# Altium PCB pcb.PcbDoc (part 2 of 2)
Units mil, origin at the board's own origin, x right, y up, seen from the top; angles counter-clockwise.
Board outline 3149.61 x 3307.09 mil, 4 copper layers (Top Layer, Layer 1, Layer 2, Bottom Layer), stack 23.756 mil thick; 88 components, 79 nets, 394 pads, 127 vias.
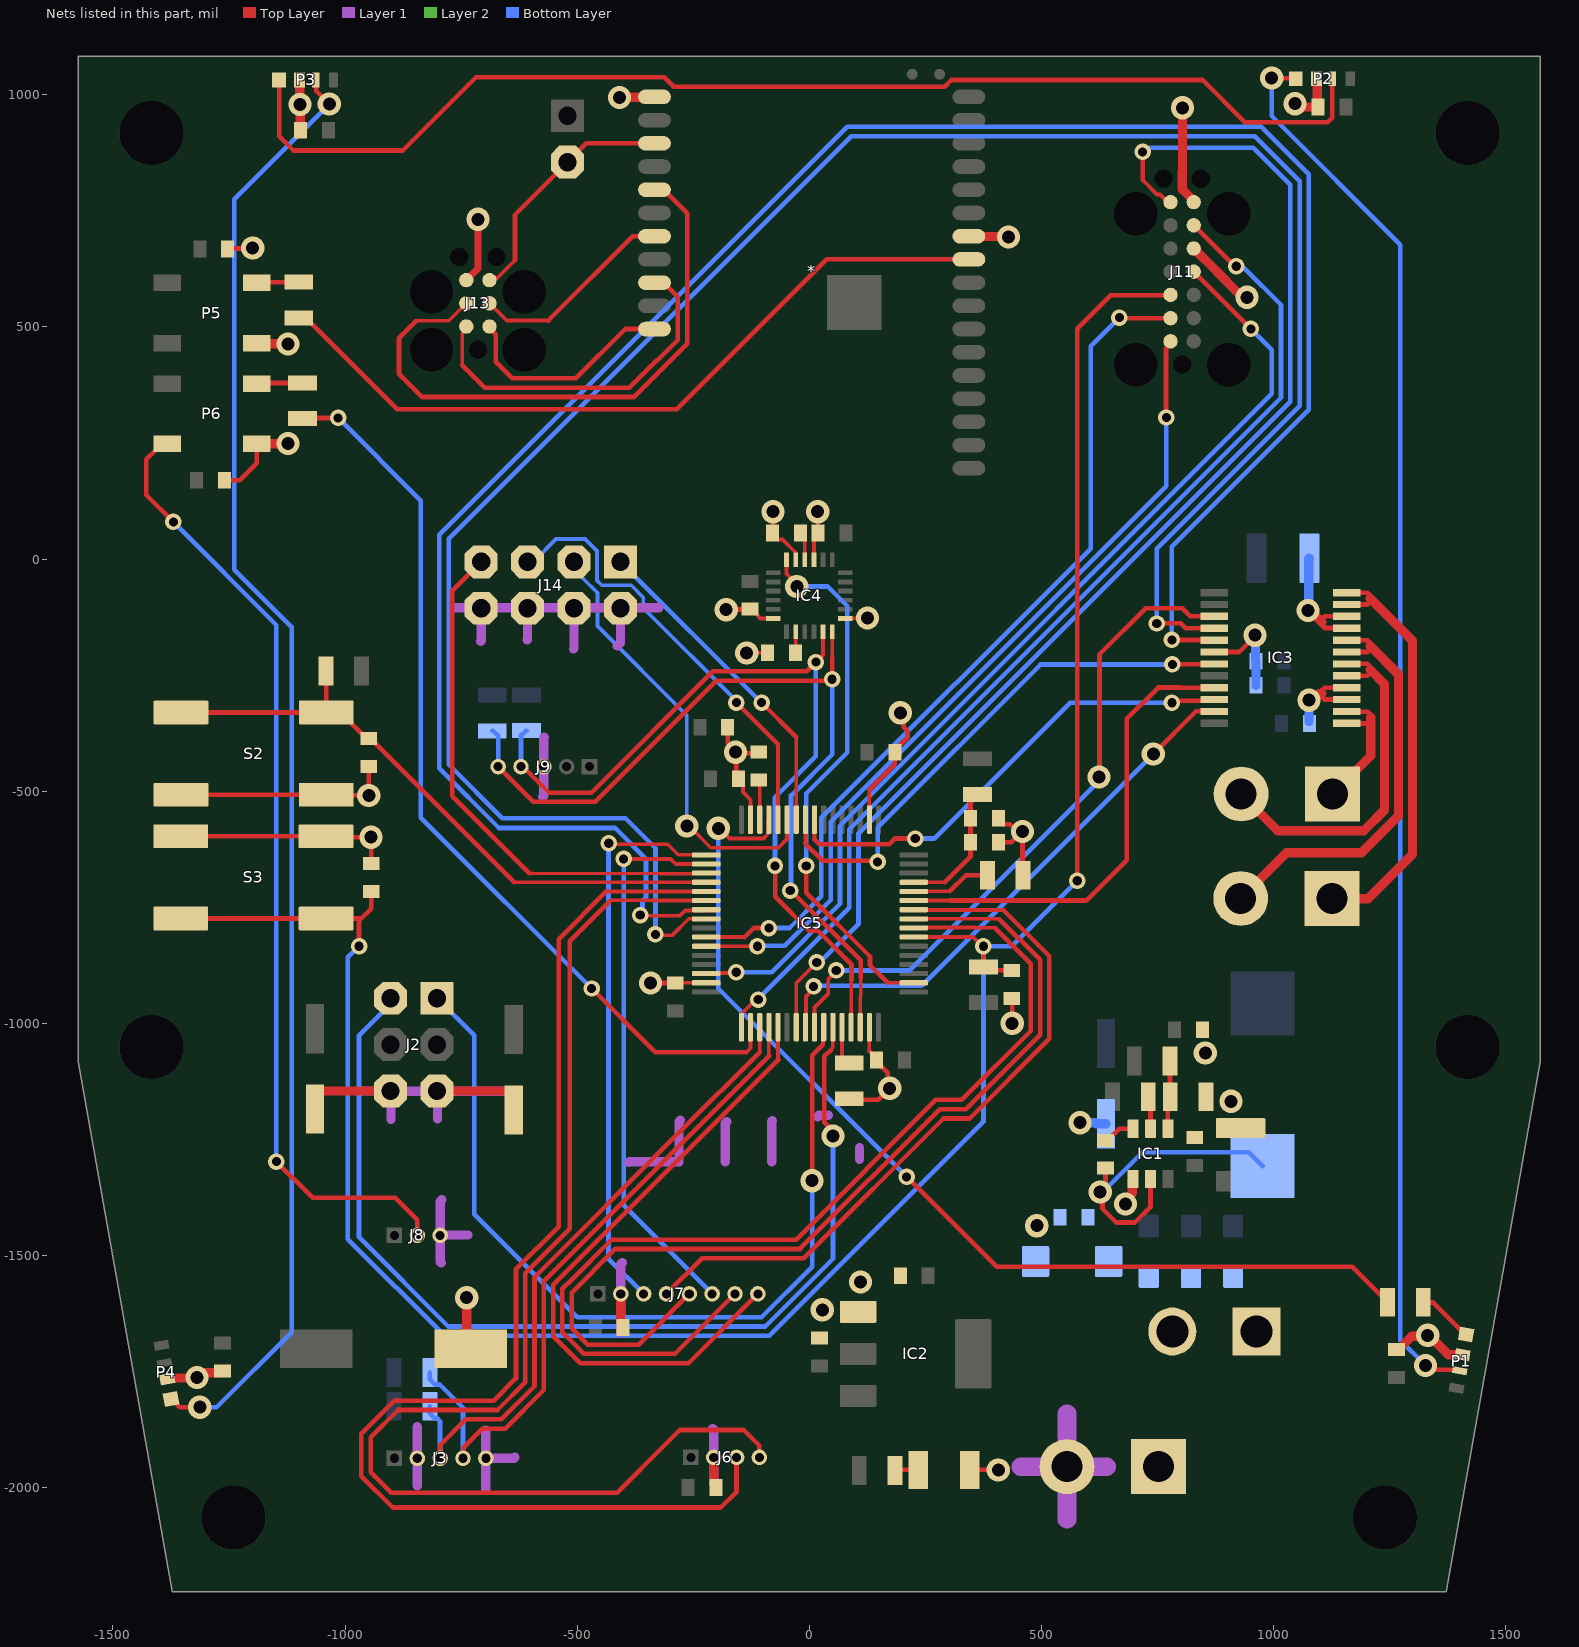
[diagram p4: the nets of this part, all layers, seen from the top]

## Via types
v1: diameter 50, hole 28, Top Layer to Bottom Layer, 87 vias
v2: diameter 35.43, hole 19.68, Top Layer to Bottom Layer, 40 vias

## Nets (pads, with @x,y where several pads share a name; then routed paths per layer and width w, separated by ;. In a path a pad name is that pad's centre, name@x,y a point inside that pad or via, vN(x,y) a via of type N, cw(c..) or ccw(c..) an arc to the next point about the centre after c; other vN are vias at no path point) (continued)
GND: *.11 *.18 C1.2 C2.2 C4.2 C5.2 C6.2 C7.2 C8.2 C9.2 C10.2 C11.1 C12.2 C13.2 C14.2 C15.2 C16.1 C17.2 C18.2 C19.2 C20.1 C21.2 C22.1 C23.2 C24.2 C25.2 C26.2 C27.2 C28.2 C29.2 C30.2 C31.2 C32.2 C33.2 C34.2 C35.2 C36.2 C37.1 C38.1 D2.A D5.K IC1.1 IC2.G IC3.3 IC3.4 IC3.9 IC3.10 IC3.18 IC4.1 IC4.9 IC4.11 IC4.18 IC5.18 IC5.31 IC5.47 IC5.63 J1.2 J2.5 J2.6 J3.2 J3.5 J6.2 J7.2 J8.3 J9.3 J11.5 J11.7 J13.6 J14.2 J14.4 J14.6 J14.8 L3.2 P1.3 P2.3 P3.3 P4.3 P5.3 P6.3 R4.1 R12.2 S2.1 S2.2 S3.1 S3.2 | length 8523.8
  Top Layer w8: C29.2@-289,-913 -288.72,-912.72 IC5.47@-222.24,-912.72 ; C26.2@-153,-473 -143,-483 -143,-502 -126.57,-518.43 IC5.31@-126.57,-561.14 ; v1(-135,-202) C22.1@-90,-202 ; C24.2@-128,-108 -124,-108 -114,-118 -114,-119.06 -105.11,-127.95 IC4.18@-77.56,-127.95 ; C20.1@-80.5,57.5 -78,60 v1(-78,102) ; C20.1@-79,56 -79,52 -69,42 -57.58,42 -31.43,15.85 -30.65,15.06 -30.65,10.37 -29.53,9.25 IC4.11@-29.53,-1.18 ; IC4.9@9.84,-1.18 9.84,46.84 C23.2@19,56 18,57 v1(18,102) ; IC4.1@77.56,-127.95 78.04,-127.48 124.52,-127.48 v1(125,-127) ; 129.33,-1059.33 IC5.63@129.33,-1008.39 ; IC5.18@129.33,-561.14 129.33,-496.67 ; C28.2@143,-1081 C28.2@145,-1079 C28.2@145,-1075
  Top Layer w10: S3.1@-1354,-597 S3.2@-1041.01,-597 -1039.01,-599 v1(-944,-599) C38.1@-944,-656 ; S2.2@-1353.5,-507.58 S2.1@-1040.5,-507.58 -1039.09,-509 v1(-949,-509) C37.1@-949,-447 ; C33.2@-1260,170 -1227.12,170 -1190.54,206.58 P6.3@-1190.54,248.04 ; C34.2@-1252,669 v1@-1200,669 ; v1(-342,-913) C29.2@-289,-913 ; v1(-179,-109) -178.5,-108.5 -128.5,-108.5 C24.2@-128,-108 ; C30.2@-176,-362 -176,-395.18 -159.32,-411.86 v1(-159.32,-415.92) ; C26.2@-153,-473 -157.5,-468.5 -157.5,-424.5 -162,-420 -160,-418 -111,-418 C36.2@-109,-416 ; R12.2@81.88,-1165 148,-1165 v1(173,-1140) 168.78,-1135.78 168.78,-1106.78 C28.2@143,-1081 ; 129.33,-1059.33 C28.2@145,-1075 ; 129.33,-496.67 184,-442 C27.2@184,-416 184,-412 211.35,-384.65 211.35,-369.84 203.59,-362.08 203.59,-338.73 v1(195.93,-331.08) ; D5.K@345.5,-1962 v1(407,-1962) ; C31.2@407,-610 435,-610 v1@458,-587 ; C32.2@407,-558 407,-562 416,-571 432.18,-571 448.18,-587 v1@458,-587 ; C35.2@436,-946 437,-947 v1(437,-1000) ; L3.2@460.5,-681 459,-679.5 v1(459,-587) v1@458,-587 ; IC3.18@872.28,-200.2 872.39,-200.1 926.14,-200.1 960,-166.24 v1(960,-164) ; IC3.3@1154.28,-302.39 1109.76,-302.39 1103.9,-296.53 1103.9,-289.59 1103.9,-282.65 1109.76,-276.8 IC3.4@1154.28,-276.8 ; IC3.9@1154.53,-148.59 1110,-148.59 1104.14,-142.73 1104.14,-135.8 1104.14,-128.86 1110,-123 IC3.10@1154.53,-123
  Top Layer w15: J13.6@-739,601 -714,626 v1(-714,732)
  Top Layer w20: P4.3@-1383,-1766 -1381.15,-1764.15 -1320.15,-1764.15 v1(-1319,-1763) -1310.88,-1763 -1300.88,-1753 -1268,-1753 C21.2@-1264,-1749 ; C34.2@-1253,668 C34.2@-1252,669 ; v1@-1200,669 v1(-1199,670) ; P6.3@-1190.54,248.04 -1190.06,248.52 -1123.48,248.52 v1(-1123,249) ; P5.3@-1190.54,465.04 -1189.52,464.02 -1124.02,464.02 v1(-1123,463) ; P3.3@-1097.94,1032 -1097.47,1031.53 -1097.47,979.47 v1(-1097,979) -1096.5,978.5 -1096.5,924.5 C19.2@-1096,924 ; C2.2@-1065.5,-1185.11 C2.2@-1065,-1184.61 -1065,-1155.69 -1055.31,-1146 J2.6@-902,-1146 ; J2.5@-802,-1146 -646.69,-1146 -637,-1155.69 C4.2@-637,-1186.61 C4.2@-634.5,-1189.11 ; v1(-738,-1591) -738,-1692.66 C25.2@-729.66,-1701 ; v1(-409,994) -408.22,994.78 -334.36,994.78 *.18@-333.58,995.55 ; J7.2@-406.21,-1582.69 -406.21,-1639.79 -400,-1646 C16.1@-400,-1650 ; J6.2@-206,-1935 -206,-1987 -199,-1994 C11.1@-199,-1998 ; *.11@343.58,695.55 344.36,694.78 428.22,694.78 v1(429,694) ; v1(680.81,-1389) 680.81,-1380.88 695.79,-1365.9 695.79,-1336.94 IC1.1@697.6,-1335.13 ; v1(804,972) 804,836.12 803.31,835.44 803.31,796.69 828,772 J11.7@828,769 ; J11.5@828,669 828.28,669 878.51,618.76 878.51,618.49 925.26,571.74 927.14,571.74 934.88,564 v1(943,564) ; v1(1046,981) 1054.12,981 1061.12,974 C18.2@1096,974 1093.81,976.19 1093.81,1033.19 P2.3@1092,1035 ; v1(1074,-111) 1079.35,-111 1104.14,-135.8 ; v1(1076,-304) 1084.12,-304 1098.53,-289.59 1103.9,-289.59 ; C17.2@1265,-1703 1269,-1699 1273,-1699 1297.92,-1674.08 1329.92,-1674.08 v1(1332,-1672) ; v1@1332,-1678 1340.56,-1678 1376.56,-1714 P1.3@1407,-1714
  Layer 1 w20: -967,-1146 J2.6@-906.15,-1146 ; -901,-1207 -901,-1146.15 J2.5@-801,-1146.15 ; -844.64,-1996 J3.2@-844.64,-1937.15 ; J3.2@-844.49,-1937 -844.49,-1869.15 ; -801,-1206 J2.5@-801,-1146.15 ; J2.5@-801,-1145.15 J2.5@-801,-1146.15 ; J8.3@-797,-1456 J8.3@-795.28,-1456 ; -793,-1516 -795.28,-1513.72 J8.3@-795.28,-1456.69 J8.3@-795.28,-1456 ; -792,-1380 -795.28,-1383.28 J8.3@-795.28,-1456 ; -765,-105 -324,-105 ; -736,-1456 J8.3@-795.28,-1456 ; -708,-177 -707,-176 J14.8@-707,-106 ; -697,-2003 J3.5@-697,-1942.15 ; -696.85,-1876.15 J3.5@-696.85,-1937 -636,-1937 -634,-1935 ; -658,-1146.15 J2.5@-801,-1146.15 ; -608,-174 -607,-173 J14.6@-607,-106 ; -574,-512 -572,-510 J9.3@-572,-447 -572,-385 -571,-384 ; -508,-193 -507,-192 J14.4@-507,-106 ; -414,-187 -407,-180 J14.2@-407,-106 ; -406,-1666 -406.21,-1665.79 J7.2@-406.21,-1582.69 -406.21,-1519.21 -403,-1516 ; -389,-1299 -388,-1298 -281,-1298 -281,-1212 -278,-1209 ; -208,-1873 -206,-1875 J6.2@-206,-1935 -206,-1990 -204,-1992 ; -181,-1298 -181,-1215 -178,-1212 ; -81,-1298 -81,-1211 -80,-1210 ; 18,-1201 21,-1198 41,-1198 ; 108,-1293 108,-1268
  Layer 1 w40: 455,-1955 J1.2@555,-1955 ; 555,-2068 J1.2@555,-1955 ; 555,-1841 J1.2@555,-1955 ; 641,-1955 J1.2@555,-1955
  Bottom Layer w20: v1(583,-1214) 615.39,-1214 618,-1216.61 C5.2@639,-1216.61 ; v1(960,-164) 961,-165 961,-219 C14.2@962,-220 C15.2@962,-272 ; v1@1074,-302 v1(1076,-304) 1076.5,-304.5 C12.2@1076.5,-349.5 ; v1(1074,-111) 1075.54,-109.46 1075.54,0.46 C13.2@1077.09,2
  other v1: 28,-1617 110,-1557 490,-1436 908,-1168 853,-1064
ISP_3V3: *.28 J13.1 | length 482.3
  Top Layer w10: J13.1@-689,501 -689,497.84 -675.75,484.59 -675.75,425.42 -639.58,389.25 -502.75,389.25 -396.45,495.55 *.28@-333.58,495.55
ISP_BOOT: *.20 J12.2 J13.5 | length 535.1
  Top Layer w8: J13.5@-689,601 -684.58,605.42 -672.08,605.42 -634,643.5 ; *.20@-333.73,895.4 *.20@-333.58,895.55
  Top Layer w10: -634,643.5 -634,742 J12.2@-521,855 -480.6,895.4 *.20@-333.73,895.4
ISP_RST: *.22 J13.4 | length 1314.4
  Top Layer w8: -846.63,513.37 -776.63,513.37 J13.4@-739,551
  Top Layer w10: -846.63,513.37 -884,476 -884,399.58 -833.42,349 -377.85,349 -263.15,463.7 -263.15,744.8 -313.9,795.55 *.22@-333.58,795.55
ISP_RXD: *.26 J13.2 | length 770
  Top Layer w8: -747.59,417.59 -747.59,486.16 J13.2@-739,494.75
  Top Layer w10: -747.59,417.59 -699.25,369.25 -387.75,369.25 -329,428 -327.14,428 -283.15,471.99 -283.15,564.8 -313.9,595.55 *.26@-333.58,595.55 ; J13.2@-739,494.75 J13.2@-739,501
ISP_TXD: *.24 J13.3 | length 445.9
  Top Layer w8: J13.3@-689,551 -652,514 -562,514
  Top Layer w10: -562,514 -380.45,695.55 *.24@-333.58,695.55
LED_PIXEL_STATE_VFS: IC5.50 R11.2 | length 1981
  Top Layer w8: R11.2@-1092,302.5 R11.2@-1090.5,304 ; -135.34,-1062.38 -126.57,-1053.62 IC5.50@-126.57,-1008.39
  Top Layer w10: R11.2@-1090.5,304 v2(-1015,304) ; v2(-469,-925) -331.62,-1062.38 -135.34,-1062.38
  Bottom Layer w10: v2(-1015,304) -837,126 -837,-557 v2(-469,-925)
Net*_10: *.10 R10.2 | length 1658.9
  Top Layer w10: R10.2@-1100,519.5 -1085,519.5 -888.13,322.63 -285.37,322.63 37.55,645.55 *.10@343.58,645.55
NetC1_1: C1.1 D1.A D2.K D3.A D4.A S1.2
NetC3_1: C3.1 IC1.2 L1.1 | length 679.6
  Top Layer w10: v1(626.59,-1363.31) 631.43,-1368.16 631.43,-1399 661.43,-1429 701.02,-1429 735,-1395.02 IC1.2@735,-1335.13 ; v1@631.35,-1364.35 638,-1357.7 C3.1@638,-1312
  Bottom Layer w10: v1(626.59,-1363.31) 632.39,-1363.31 717.7,-1278 946.8,-1278 L1.1@976,-1307.2
NetC3_2: C3.2 IC1.6 | length 70
  Top Layer w10: C3.2@638,-1252 642,-1252 667.13,-1226.87 IC1.6@697.6,-1226.87
NetC20_2: C20.2 IC4.10 | length 61
  Top Layer w8: C20.2@-19,56 -9.84,46.84 IC4.10@-9.84,-1.18
NetC22_2: C22.2 IC4.20 | length 45.9
  Top Layer w8: C22.2@-30,-202 -29.53,-201.53 IC4.20@-29.53,-156.3
NetC31_1: C31.1 C32.1 IC5.13 L2.1 | length 287
  Top Layer w8: IC5.13@225,-696.18 291.82,-696.18
  Top Layer w10: 291.82,-696.18 347,-641 C31.1@347,-610 C32.1@347,-558 347,-518 357.04,-507.96 L2.1@362,-507.96
NetC36_1: C36.1 IC5.30 | length 86
  Top Layer w8: C36.1@-109,-476 -106.89,-478.11 IC5.30@-106.89,-561.14
NetD5_A: D5.A R3.1 | length 50.4
  Top Layer w10: R3.1@184.5,-1963 185.5,-1962 D5.A@234.5,-1962
NetIC1_4: IC1.4 R2.2 R4.2 | length 148.2
  Top Layer w10: IC1.4@772.4,-1226.87 772.4,-1163.1 R4.2@777.5,-1158 777,-1157.5 R2.2@777,-1081
NetIC1_5: IC1.5 R1.1 | length 70.9
  Top Layer w10: R1.1@730,-1158 735,-1163 IC1.5@735,-1226.87
NetIC3_1: IC3.1 IC3.2 J4.1 | length 311.2
  Top Layer w10: IC3.1@1158.72,-354.2 1203.24,-354.2 1209.1,-348.35 ; IC3.2@1158.72,-328.61 1203.24,-328.61 1209.1,-334.47 1209.1,-341.41
  Top Layer w20: J4.1@1127,-506 1209.1,-423.9 1209.1,-348.35 1209.1,-341.41
NetIC3_5: IC3.5 IC3.6 J4.2 | length 794.3
  Top Layer w10: IC3.5@1157.72,-251.39 1202.24,-251.39 1208.1,-245.53 1208.1,-238.59 1208.1,-231.65 1202.24,-225.8 IC3.6@1157.72,-225.8
  Top Layer w20: J4.2@930.15,-506 1009.2,-585.06 1194.34,-585.06 1239.1,-540.29 1239.1,-269.59 1208.1,-238.59
NetIC3_7: IC3.7 IC3.8 J5.2 | length 923.9
  Top Layer w10: IC3.7@1157.72,-200.2 1202.24,-200.2 1208.1,-194.35 1208.1,-187.41 1208.1,-180.47 1202.24,-174.61 IC3.8@1157.72,-174.61
  Top Layer w20: J5.2@929.15,-731 1027.68,-632.47 1189.35,-632.47 1269.1,-552.72 1269.1,-248.41 1208.1,-187.41
NetIC3_11: IC3.11 IC3.12 J5.1 | length 921.1
  Top Layer w10: IC3.11@1157.72,-97.84 1202.24,-97.84 1208.1,-91.98 1208.1,-85.05 1208.1,-78.11 1202.24,-72.25 IC3.12@1157.72,-72.25
  Top Layer w20: J5.1@1126,-731 1126.66,-731.66 1203.34,-731.66 1299.1,-635.9 1299.1,-176.05 1208.1,-85.05
NetIC3_15: IC3.15 IC5.57 | length 1445.8
  Top Layer w8: IC5.57@11.22,-1008.39 11.22,-965.63 41,-935.85 41,-904.52 58,-887.52 v2(58,-886.12)
  Top Layer w10: v1(623.72,-469.72) 625,-468.43 625,-205.31 724.31,-106 803,-106 820.43,-123.43 IC3.15@872.28,-123.43
  Bottom Layer w10: v2(58,-886.12) 216.44,-886.12 623.72,-478.85 v1(623.72,-469.72)
NetIC3_16: IC3.16 IC5.40 | length 4758.5
  Top Layer w8: v2(-331.47,-808.53) -330,-810 -295,-810 -259.92,-774.92 IC5.40@-222.24,-774.92
  Top Layer w10: v2(748.28,-138.72) 749,-138 799.66,-138 810.68,-149.02 IC3.16@872.28,-149.02
  Bottom Layer w10: v2(-331.47,-808.53) -331.47,-622.53 -396,-558 -661.53,-558 -777,-442.53 -777,44 90,911 959.28,911 1056,814.28 1056,330.28 748.28,22.57 v2(748.28,-138.72)
NetIC3_17: IC3.17 IC5.39 | length 4798.5
  Top Layer w8: v2(-364.19,-766.87) -363.05,-768 -278.46,-768 -267.38,-756.92 -252.88,-756.92 -252.7,-756.75 -223.76,-756.75 IC5.39@-222.24,-755.24 ; v2(781,-174) v2@781.31,-174.31 ; IC3.17@871.98,-174.31 IC3.17@872.28,-174.61
  Top Layer w10: v2@781.31,-174.31 IC3.17@871.98,-174.31
  Bottom Layer w10: v2(-364.19,-766.87) -359.32,-762 -359.32,-736.47 -352,-729.15 -352,-645.73 -418.45,-579.28 -445.55,-579.28 -668.53,-579.28 -797,-450.82 -797,52.28 81.72,931 973.73,931 1076,828.73 1076,322 781,27 v2(781,-174)
NetIC3_19: IC3.19 IC5.25 | length 1168.9
  Top Layer w8: -8.46,-611.56 IC5.25@-8.46,-561.14
  Top Layer w10: -8.46,-611.56 -8.46,-612.98 28.56,-650 145,-650 v2(147.13,-652.13) ; v2(782,-227) 782.6,-226.4 871.68,-226.4 IC3.19@872.28,-225.8
  Bottom Layer w10: v2(147.13,-652.13) 147.13,-577.87 498,-227 v2(782,-227)
NetIC3_21: IC3.21 IC5.11 | length 1015.8
  Top Layer w8: IC5.11@225,-735.55 303.55,-735.55
  Top Layer w10: 303.55,-735.55 596.72,-735.55 683.53,-648.74 683.53,-344.33 751.15,-276.72 799.32,-276.72 799.58,-276.98 IC3.21@872.28,-276.98
NetIC3_22: IC3.22 IC5.24 | length 1036.6
  Top Layer w8: 11.22,-604.38 IC5.24@11.22,-562.11
  Top Layer w10: 11.22,-604.38 21.12,-614.28 171.84,-614.28 184.12,-602 v2(228,-602) ; v2(781,-309.43) 784.99,-305.44 869.41,-305.44 IC3.22@872.28,-302.57
  Bottom Layer w10: v2(228,-602) 269,-602 561.57,-309.43 v2(781,-309.43)
NetIC3_23: IC3.23 IC5.56 | length 1203.6
  Top Layer w8: IC5.56@-8.46,-1008.39 -7.23,-1007.15 -7.23,-941.94 9.28,-925.42 v2(9.28,-920.42)
  Top Layer w10: v1(741,-420) 832.84,-328.16 IC3.23@872.28,-328.16
  Bottom Layer w10: v2(9.28,-920.42) 10.86,-918.84 242.16,-918.84 v1(741,-420)
NetIC4_12: IC4.12 IC5.2 | length 1170.3
  Top Layer w8: IC4.12@-49.21,-1.18 -49.21,-31.73 -27,-53.94 v1(-27,-59) ; 168.72,-912.72 IC5.2@225,-912.72
  Top Layer w10: v2(-6.72,-661) -6.57,-661.15 -6.57,-718.72 130.72,-856 130.72,-874.72 168.72,-912.72
  Bottom Layer w10: v1(-27,-59) 39.57,-59 81.69,-101.12 81.69,-416.57 -6.72,-504.97 v2(-6.72,-661)
NetIC4_23: IC4.23 IC5.61 J9.4 R5.1 | length 1832.6
  Top Layer w8: 28.97,-207.44 29.53,-206.89 IC4.23@29.53,-156.3 ; IC5.61@89.96,-1008.39 89.96,-907.45 90.72,-906.7
  Top Layer w10: J9.4@-621.21,-447 -616.88,-447 -560.88,-503 -469.28,-503 -208.28,-242 -6,-242 v2(14,-222) ; v2(-74,-661) -73.72,-661.28 -73.72,-727.55 -1.21,-800.06 18.21,-800.06 90.72,-872.57 90.72,-906.7 ; v2@14.97,-222 14.97,-221.44 28.97,-207.44
  Bottom Layer w10: J9.4@-621.21,-447 -621.21,-380.5 -610.21,-369.5 R5.1@-609,-369.5 ; v2(-74,-661) -74,-513 14,-425 v2(14,-222)
NetIC4_24: IC4.24 IC5.62 J9.5 R6.1 | length 1896.4
  Top Layer w8: IC4.24@49.21,-156.3 49.21,-207.76 49.53,-208.07 ; IC5.62@109.65,-1008.39 109.65,-942.7 110.72,-941.63 110.72,-902.65
  Top Layer w10: J9.5@-670.43,-447 -594.43,-523 -461,-523 -200.28,-262.28 45.66,-262.28 v2(48.97,-258.97) 48.97,-208.63 ; v2(-41,-714) -39.57,-714 110.72,-864.29 110.72,-902.65
  Bottom Layer w10: R6.1@-683,-370 -681.43,-370 -670.43,-381 J9.5@-670.43,-447 ; v2(-41,-714) -39.43,-712.43 -39.43,-509.41 48.97,-421 v2(48.97,-258.97)
NetIC5_8: IC5.8 J7.7 | length 2206.2
  Top Layer w8: IC5.8@225,-794.61 251.71,-793.73 356.55,-793.73 cw(c356.87,-832.73) 357.7,-793.74 400.04,-794.61 401.32,-795.89
  Top Layer w10: J7.7@-160.15,-1582.69 -289.46,-1712 -485.5,-1712 -511.1,-1686.4 -532,-1665.5 -532,-1571.85 -511.1,-1550.95 -426.15,-1466 -399.72,-1466 -28.54,-1466 272.46,-1165 328.57,-1165 477,-1016.57 477,-871.57 401.32,-795.89
NetIC5_9: IC5.9 J7.5 | length 2099.3
  Top Layer w8: IC5.9@225.08,-775 408.71,-775 409.35,-775.64
  Top Layer w10: J7.5@-258.57,-1582.69 -367.88,-1692 -477.21,-1692 -512,-1657.21 -512,-1580.14 -417.86,-1486 -20.25,-1486 280.75,-1185 336.85,-1185 497,-1024.85 497,-863.28 409.35,-775.64
NetIC5_10: IC5.10 J7.4 | length 1563.6
  Top Layer w8: IC5.10@225,-755.24 251.71,-755.9 417.9,-755.9
  Top Layer w10: J7.4@-307.79,-1582.69 -231.09,-1506 -11.97,-1506 289.03,-1205 345.14,-1205 517,-1033.14 517,-855 417.9,-755.9
NetIC5_12: IC5.12 L3.1 | length 173.2
  Top Layer w8: IC5.12@225.31,-716.18 225.94,-715.55 302.82,-715.55
  Top Layer w10: IC5.12@225,-715.87 IC5.12@225.31,-716.18 ; 302.82,-715.55 337.37,-681 L3.1@383.5,-681
NetIC5_29: IC5.29 R14.1 | length 2218.2
  Top Layer w8: v1(-196,-580) -194,-580 -172.15,-601.85 -98.85,-601.85 -88.72,-591.72 -88.72,-562.65 IC5.29@-87.2,-561.14
  Top Layer w10: v2(209.65,-1330.65) 403.5,-1524.5 1169,-1524.5 R14.1@1245.5,-1601
  Bottom Layer w10: v1(-196,-580) -196,-925 v2(209.65,-1330.65)
NetIC5_33: IC5.33 J7.3 | length 1222.5
  Top Layer w8: v2(-432,-612) -429.78,-614.22 -305.1,-614.22 -282.2,-637.13 IC5.33@-222.24,-637.13
  Bottom Layer w10: v2(-432,-612) -432.72,-612.72 -432.72,-1506.98 J7.3@-357,-1582.69
NetIC5_34: IC5.34 J7.6 | length 1198
  Top Layer w8: v2(-400,-645.94) -298.84,-645.94 -287.97,-656.81 IC5.34@-222.24,-656.81
  Bottom Layer w10: v2(-400,-645.94) -400,-1392.06 J7.6@-209.36,-1582.69
NetIC5_37: IC5.37 J6.3 | length 2742.9
  Top Layer w8: -437.32,-715.87 IC5.37@-222.24,-715.87
  Top Layer w10: -437.32,-715.87 -540,-818.54 -540,-1438 -632,-1530 -632,-1765 -680,-1813 -894.28,-1813 -965,-1883.72 -965,-1913.72 -965,-1975.28 -897.28,-2043 -190.79,-2043 -156.79,-2009 J6.3@-156.79,-1935
NetIC5_38: IC5.38 J6.4 | length 2728.6
  Top Layer w8: -430.14,-736.97 -428.32,-735.15 -338.84,-735.15 -338.44,-735.55 IC5.38@-222.24,-735.55
  Top Layer w10: -430.14,-736.97 -516.07,-822.9 -516.07,-1442.35 -612,-1538.28 -612,-1752.52 -612,-1773.28 -671.72,-1833 -692.48,-1833 -886,-1833 -945,-1892 -945,-1967 -901,-2011 -414,-2011 -312,-1909 -279,-1876 -141,-1876 -107.57,-1909.43 J6.4@-107.57,-1935
NetIC5_51: IC5.51 J3.3 R7.1 | length 1383.2
  Top Layer w8: IC5.51@-106.89,-1008.39 -106.89,-1060.93 -106.57,-1061.25
  Top Layer w10: J3.3@-795.28,-1937 -795.28,-1908.28 -740,-1853 -684.19,-1853 -663.43,-1853 -592,-1781.57 -592,-1760.81 -592,-1547 -277.95,-1232.95 -277.62,-1232.95 -106.57,-1061.9 -106.57,-1061.25
  Bottom Layer w10: R7.1@-817.5,-1825 -817.5,-1840 -806.5,-1851 -801.5,-1851 -795.65,-1856.86 -795.65,-1936.63 J3.3@-795.28,-1937
NetIC5_52: IC5.52 J3.4 R8.1 | length 1451.5
  Top Layer w8: IC5.52@-87.2,-1008.39 -87.2,-1068.26 -86.57,-1068.89
  Top Layer w10: J3.4@-746.06,-1937 -744.69,-1935.63 -744.69,-1913.5 -704.19,-1873 -675.91,-1873 -655.15,-1873 -572,-1789.85 -572,-1769.09 -572,-1555.28 -269.67,-1252.95 -269.34,-1252.95 -86.57,-1070.19 -86.57,-1068.89
  Bottom Layer w10: R8.1@-817.5,-1752 -817.5,-1767 -806.5,-1778 -796.29,-1778 -746.06,-1828.22 J3.4@-746.06,-1937
NetIC5_53: IC5.53 J7.8 | length 1394.1
  Top Layer w8: IC5.53@-67.52,-1008.39 -67.53,-1077.51 -66.57,-1078.47
  Top Layer w10: J7.8@-110.94,-1582.69 -260.24,-1732 -493.78,-1732 -531.1,-1694.68 -552,-1673.78 -552,-1563.57 -432.43,-1444 -432.1,-1444 -66.57,-1078.47
NetIC5_58: IC5.58 J2.1 | length 1889.2
  Top Layer w8: 28.78,-1046.22 29.39,-1045.61 29.39,-1009.9 IC5.58@30.91,-1008.39
  Top Layer w10: v1(6,-1339) 6,-1069 28.78,-1046.22
  Bottom Layer w10: J2.1@-802,-946 -722,-1026 -722,-1411 -500,-1633 -103,-1633 6,-1524 v1(6,-1339)
NetIC5_59: IC5.59 J2.2 | length 2218
  Top Layer w8: 46.73,-1056.55 50.59,-1052.7 IC5.59@50.59,-1008.39
  Top Layer w10: 46.73,-1056.55 32.35,-1070.94 32.35,-1213.52 51,-1232.18 v1(51,-1243)
  Bottom Layer w10: J2.2@-902,-946 -902,-958.06 -970,-1026.06 -970,-1460.53 -777.53,-1653 -94.72,-1653 51,-1507.28 v1(51,-1243)
NetIC5_60: IC5.60 R12.1 | length 68.7
  Top Layer w8: R12.1@70,-1077 70.28,-1076.72 IC5.60@70.28,-1008.39
NetJ1_1: J1.1 S1.1 | length 11.6
  Top Layer w40: J1.1@751.85,-1955 J1.1@757.85,-1949
  Layer 2 w20: S1.1@960,-1663.91 S1.1@963.1,-1663.91
NetJ8_2: J8.2 P6.2 | length 2076.1
  Top Layer w10: P6.2@-1383.46,248.04 -1395.27,248.04 -1407.98,235.32 -1407.98,235.02 -1428.06,214.95 -1428.06,138.06 v2(-1370,80) ; v2(-1148,-1298) -1070,-1376 -892,-1376 -844.49,-1423.51 J8.2@-844.49,-1456.69
  Bottom Layer w10: v2(-1370,80) -1148,-142 v2(-1148,-1298)
NetP1_2: P1.2 P2.4 | length 3040.5
  Top Layer w10: v1(996,1036) 1046.71,1036 P2.4@1047.71,1035 ; v1(1327.18,-1736.82) 1338,-1736.82 1347.04,-1745.85 1398.67,-1745.85 P1.2@1400.92,-1748.11
  Bottom Layer w10: v1(996,1036) 996,954.38 1273,677.38 1273,654 1273,-1682.64 v1(1327.18,-1736.82)
NetP1_4: P1.4 R14.2 | length 114.3
  Top Layer w10: R14.2@1329,-1601.5 1344,-1601.5 1412.9,-1670.4 P1.4@1414.77,-1670.4
NetP2_2: P2.2 P3.4 | length 2607.1
  Top Layer w10: P3.4@-1142.24,1032 -1142.24,911.24 -1111.14,880.14 -875.86,880.14 -718,1038 -312.86,1038 -292.42,1017.56 291.7,1017.56 306.14,1032 847,1032 938,941 1116.21,941 1125,949.79 1125,950 1126.03,951.03 P2.2@1126.03,1034.39
NetP3_2: P3.2 P4.4 | length 3179.7
  Top Layer w10: P4.4@-1375.23,-1809.6 -1373.68,-1809.6 -1356.28,-1827 v1(-1313,-1827) ; P3.2@-1063.3,1032 -1062.28,1030.99 -1062.28,1008.28 v1(-1034,980)
  Bottom Layer w10: v1(-1313,-1827) -1277,-1827 -1115.28,-1665.28 -1115.28,-146.43 -1239,-22.72 -1239,775 v1(-1034,980)
NetP5_4: P5.4 R10.1 | length 90.6
  Top Layer w10: P5.4@-1171.02,596.14 R10.1@-1121,596.14
  Top Layer w20: P5.4@-1190.54,594.96 P5.4@-1171.02,596.14 ; R10.1@-1121,596.14 R10.1@-1100,596.5
NetP6_4: P6.4 R11.1 | length 98.6
  Top Layer w10: P6.4@-1171.02,379.17 R11.1@-1113,379.17
  Top Layer w20: P6.4@-1190.54,377.96 P6.4@-1171.02,379.17 ; R11.1@-1113,379.17 R11.1@-1092,379.5
STM32_DBG_NRST: C35.1 C38.2 IC5.7 J11.12 R9.1 S3.3 S3.4 | length 5156.9
  Top Layer w8: IC5.7@225,-814.29 352.68,-814.29 372.39,-834 v2(375,-834) 375,-866.5 369,-872.5 R9.1@356.89,-872.5 ; R9.1@376,-877.5 R9.1@384.5,-886
  Top Layer w10: S3.3@-1354,-774.17 S3.4@-1041.01,-774.17 -965.17,-774.17 -944,-753 C38.2@-944,-716 ; v2(-970,-834) -970,-774.17 ; R9.1@356.89,-872.5 361.89,-877.5 R9.1@376,-877.5 ; R9.1@384.5,-886 C35.1@436,-886 ; v2(577,-693) 577,496 649.5,568.5 777.5,568.5 J11.12@778,569
  Bottom Layer w10: v2(-970,-834) -994,-858 -994,-1464.81 -785.81,-1673 -86.43,-1673 375,-1211.57 v2(375,-834) 436,-834 v2(577,-693)
STM32_DBG_RX: IC5.42 J11.13 | length 1907.2
  Top Layer w8: IC5.42@-222.24,-814.29 -139.61,-814.29
  Top Layer w10: -139.61,-814.29 -120.05,-794.74 v2(-87.29,-794.74) ; v2(668,520) 669,519 J11.13@778,519
  Bottom Layer w10: v2(-87.29,-794.74) -42.74,-794.74 26,-726 26,-557.58 606,22.42 606,458 v2(668,520)
STM32_DBG_SWCLK: IC5.49 J11.6 | length 2299.9
  Top Layer w8: IC5.49@-146.26,-1008.39 -144.75,-1006.87 -144.75,-977.81 -115.94,-949 v2(-110,-949)
  Top Layer w10: J11.6@828,719 916.33,630.67 v2(919.67,630.67)
  Bottom Layer w10: v2(-110,-949) -110,-946.85 86,-750.85 86,-582.43 1016,347.57 1016,547.57 937.77,625.8 924.54,625.8 v2(919.67,630.67)
STM32_DBG_SWDIO: IC5.46 J11.4 | length 2166.9
  Top Layer w8: IC5.46@-222.24,-893.03 -220.73,-891.52 -159.06,-891.52 v2(-157.54,-890)
  Top Layer w10: J11.4@828,619 v2(951,496)
  Bottom Layer w10: v2(-157.54,-890) -81.43,-890 66,-742.57 66,-574.15 996,355.85 996,451 v2(951,496)
STM32_DBG_SWO: IC5.55 J11.8 | length 2754.1
  Top Layer w8: IC5.55@-28.15,-1008.39 -28.15,-913 v2(15.96,-868.89) ; 718,816.36 749.05,785.31 755.43,785.31 771.75,769 J11.8@778,769
  Top Layer w10: 718,816.36 v2(718,877)
  Bottom Layer w10: v2(15.96,-868.89) 22.38,-868.89 106,-785.27 106,-590.72 1036,339.28 1036,806 956,886 733.88,886 724.88,877 v2(718,877)
STM32_DBG_TX: IC5.43 J11.14 | length 1816.6
  Top Layer w8: IC5.43@-222.24,-833.98 v2(-112,-834)
  Top Layer w10: v2(769,305) 768.31,305.69 768.31,453.6 778,463.29 J11.14@778,469
  Bottom Layer w10: v2(-112,-834) -111,-833 -52.71,-833 46,-734.28 46,-565.86 769,157.14 v2(769,305)
USR_BUTTON: C37.2 IC5.36 R13.1 S2.3 S2.4 | length 1374.1
  Top Layer w8: -635.82,-696.18 IC5.36@-222.24,-696.18
  Top Layer w10: S2.4@-1353.5,-330.42 S2.3@-1040.5,-330.42 ; R13.1@-1041.5,-241 -1040.5,-242 S2.3@-1040.5,-330.42 ; -635.82,-696.18 -945,-387 C37.2@-949,-387 -953,-387 -986.45,-353.55 -986.45,-351.01 -1007.04,-330.42 S2.3@-1040.5,-330.42
USR_CONFIG1: IC5.26 J14.1 | length 712.7
  Top Layer w8: IC5.26@-28.15,-561.14 -28.15,-383.85
  Top Layer w10: v2(-103,-309) -28.15,-383.85
  Bottom Layer w10: J14.1@-407,-6 -104,-309 v2(-103,-309)
USR_CONFIG2: IC5.27 J14.3 | length 954.6
  Top Layer w8: v1(-264,-575) -258.91,-575 -212.3,-621.61 -66.61,-621.61 -47.92,-602.92 -47.92,-561.22 IC5.27@-47.83,-561.14
  Bottom Layer w8: J14.3@-507,-6 -507,-21.37 -488,-40.37 -488,-41.12 -456.43,-72.69 -456.43,-144.41 -264,-336.85 v1(-264,-575)
USR_CONFIG3: IC5.28 J14.5 | length 958.1
  Top Layer w8: IC5.28@-67.52,-561.14 -67.52,-398.48
  Top Layer w10: v2(-157,-309) -67.52,-398.48
  Bottom Layer w8: J14.5@-607,-6 -594.94,-6 -545.51,43.43 -483.48,43.43 -457.57,17.52 -457.57,-46.1 -447.1,-56.57 -383.48,-56.57 -357.57,-82.48 -357.57,-105.12 -157,-305.69 v2(-157,-309)
USR_CONFIG4: IC5.35 J14.7 | length 1146
  Top Layer w8: -603.5,-676.5 -596.88,-676.5 -321.18,-678.12 ccw(c-321.03,-639.12) -321.03,-678.12 -248.95,-678.01 IC5.35@-222.24,-676.5
  Top Layer w10: J14.7@-707,-6 -769,-68 -769,-511 -603.5,-676.5
pads on no net: *.12 *.14 *.15 *.16 *.17 *.19 *.21 *.23 *.25 *.27 *.29 *.30 *.31 IC4.2 IC4.3 IC4.4 IC4.5 IC4.6 IC4.7 IC4.14 IC4.15 IC4.16 IC4.17 IC4.19 IC4.21 IC4.22 IC5.3 IC5.4 IC5.5 IC5.6 IC5.45 IC5.54 J11.0 J11.1 J11.2 J11.9 J11.10 J11.11 J13.0 P4.2 P5.2

## Polygon pours and split planes (outlines as drawn)
5VDC on Layer 2 "5VDC_L03_P014" (solid, remove dead copper, pour order 14): -1574.69,1082.79 1574.91,1082.79 1574.91,-1082.57 1372.34,-2224.3 -1372.12,-2224.3 -1574.69,-1082.57
3.3VDC on Layer 2 "3.3VDC_L03_P012" (solid, remove dead copper, pour order 12): -424,-2004 -424,-1928 -3,-1748 370,-1748 370,-535.84 429.16,-535.84 426.98,-441.32 426.98,-85 924,300 924,651 523.54,651 523.54,170 -1020,170 -1020,-59 -1020,-415 -899.16,-535.84 -503,-535.84 -503,-415 -376.55,-415 -375.59,-535.84 -375.59,-1059.41 -235,-1200 -235,-1691 -943.13,-1691 -1001.47,-1561 -1125,-1561 -1125,-1680 -1070.96,-1680 -937.48,-2004
12VDC on Layer 2 "12VDC_L03_P011" (solid, remove dead copper, pour order 11): 1018,2.12 1018,-439 1018,-1471 550,-1471 550,-1098 660,-1098 660,-351.58 802.91,2.12
GND on Layer 1 "GND_L02_P000" (solid, remove dead copper, pour order 0): -1574.13,-1082 -1574.13,1082.22 1575,1083 1575,-1082 1372.34,-2224.3 -1372.12,-2224.3

## Other copper
Top Layer:
  region net 5VDC: 804,-1037 804,-979 553,-979 553,-1084 660,-1084 679,-1103 679,-1116 719,-1116 720,-1116 720,-1046 729,-1037
  region net 5VDC: 2,-1721 42,-1721 42,-1751 67,-1776 147,-1776 147,-1831 146,-1830 2,-1830
  region net 3.3VDC: 238,-1522 286,-1522 398,-1634 398,-1795 315,-1795 259,-1739 62,-1739 62,-1686 61,-1685 200,-1685 238,-1641
  region net GND: 214,-1521 214,-1563 213,-1564 164,-1564 146,-1582 146,-1648 63,-1648 44,-1667 44,-1697 2,-1697 1,-1698 1,-1587 71,-1521
  region net GND: 824,-994.13 824,-1215 810,-1229 810,-1262 853,-1262 861,-1254 986,-1254 986,-1204.8 882,-1095.95 882,-993.02
  region net NetJ1_1: 1039,-1588 887,-1588 887,-1737 814.28,-1876 673,-1876 673,-2035 825,-2035 1039,-1737
  region net 12VDC: 752,-1448 752,-1369.21 759,-1369.21 759,-1314 810,-1314 810,-1291 849,-1291 849,-1312 990,-1312 990,-1448
Bottom Layer:
  region net 12VDC: 709,-1465 991,-1465 990,-1464 990,-1387 897.09,-1387 897.09,-1312.25 762.75,-1312.25 747,-1328 747,-1410 709,-1410
  region net GND: 556,-1438 556,-1398 471.95,-1398 453.41,-1418.32 454,-1550 520,-1550 520,-1453 535,-1438
  region net NetC1_1: 937,-1518 679,-1518 679,-1477 657,-1477 617,-1437 617,-1397 583,-1397 583,-1571.22 744.24,-1736 851,-1736 851,-1572 937,-1572

## Silkscreen, mask and mechanical layers (free items; w line width, h text height)
Top Overlay:
  text "ESP" at -1439,452 h60 r90
  text "ISP-ESP" at -911,308 h60
  text "ISP-STM" at 603,271 h60
  text "STM" at -1439,232 h60 r90
  text "CONFIG" at -708,73 h60
  text "Ach Linda..." at 1445,-318 h60 r90
  text "USR" at -1440,-497 h60 r90
  text "RESET" at -1440,-823 h60 r90
Bottom Overlay:
  lines w0.5: -1574.69,-1082.57 -1372.12,-2224.3 1372.34,-2224.3 1574.91,-1082.57
Mechanical 1:
  lines w0.5: 1574.91,-1082.57 1574.91,1082.79
Outline GPC:
  lines w0.5: -1574.69,-2224.3 -1574.69,1082.79 ; 1574.91,-2224.3 1574.91,1082.79 ; -1574.69,1082.79 1574.91,1082.79 ; -1574.69,1082.79 -1574.69,-4822.73 1574.91,-4822.73 1574.91,1082.79 ; -1574.69,1082.79 1574.91,1082.79
Outline Robocar:
  the board outline again, w0.5
Construction:
  circle w5: c-1240.12,-2066.82 r236.22
  circle w5: c-1417.21,-1051.07 r236.22
  circle w5: c-1417.21,917.43 r236.22
  circle w5: c1417.43,917.43 r236.22
  circle w5: c1417.43,-1051.07 r236.22
  circle w5: c1240.16,-2059.06 r236.22
  circle w5: c1417.43,-1051.07 r157.48
  circle w5: c-1417.21,-1051.07 r157.48
  circle w5: c1417.43,917.43 r157.48
  circle w5: c-1417.21,917.43 r157.48
  circle w5: c-1240.12,-2066.82 r157.48
  circle w5: c1240.34,-2066.82 r157.48
  lines w0.5: -1574.69,-2224.3 1574.91,1082.79 ; -1574.69,-1082.57 1574.91,-1082.57 ; -1574.69,0.11 1574.91,0.11 ; -1574.69,1082.79 1574.91,-2224.3 ; 0.11,-2224.3 0.11,1082.79 ; -1417.21,-1051.07 1417.43,-1051.07 ; -1417.21,-1051.07 -1240.12,-2066.82 1240.34,-2066.82 1417.43,-1051.07 ; -1417.21,-1051.07 -1417.21,917.43 1417.43,917.43 1417.43,-1051.07